# KiCad board 11-10084__speedy_processing_module__B.kicad_pcb (continued)
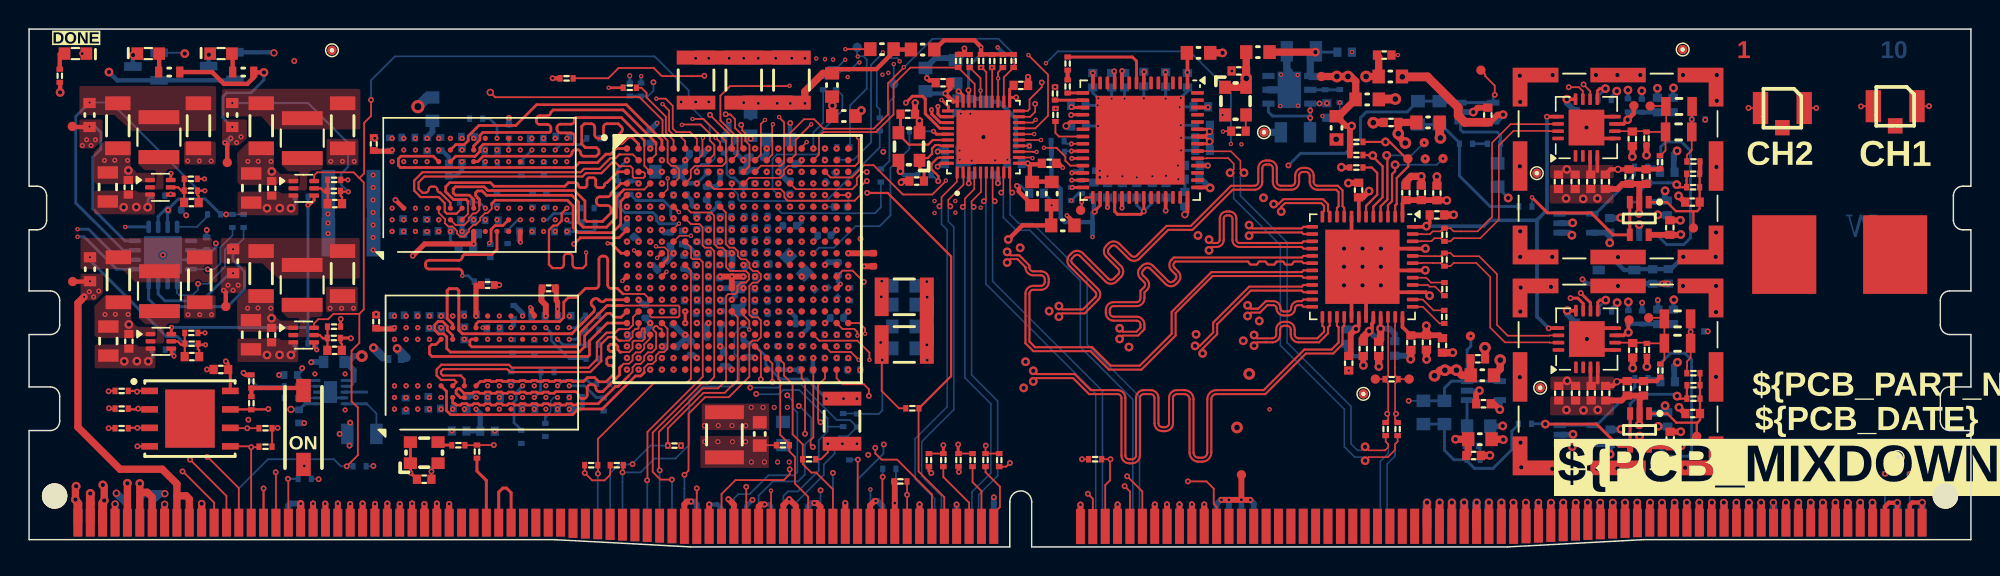
[diagram p0: board, top side]
## Routing (per net, layer and track width the routed paths; a pad name or vN(x,y) marks a point on that pad's centre or on a via; arc(x,y) is an arc through that point) (continued)
/TOP_LEVEL_IO/ZYNQ_PS/DDR3_BA0: length 46.7
  L7 w0.155: v2(33.73,22.49) 33.35,22.49 32.39,21.53 32.39,19.54 31.87,19.02 31.87,13.8 33.48,12.19 33.48,10.68 v2(33.89,10.27) 34.34,9.83 34.34,8.93 34.88,8.39 39.4,8.39 42.23,11.22 42.23,14.92 42.09,15.05 arc(42.03,15.19) 42.09,15.34 arc(42.15,15.48) 42.09,15.62 41.95,15.76 arc(41.81,15.82) 41.67,15.76 41.4,15.49 arc(41.28,15.44) 41.15,15.49 40.98,15.67 arc(40.93,15.79) 40.98,15.92 41.24,16.18 arc(41.3,16.33) 41.24,16.47 41.1,16.61 arc(40.96,16.67) 40.82,16.61 arc(40.68,16.55) 40.53,16.61 40.15,16.99 40.15,18.19 40.59,18.64 41.16,18.64 41.25,18.55 41.25,18.17 41.5,17.92 41.5,17.54 41.63,17.42 42.18,17.42 42.3,17.54 42.3,17.93 42.6,18.23 43.32,18.23 43.42,18.34 43.42,19.11 44.13,19.82 44.38,19.82 44.61,20.04 44.61,20.53 44.72,20.63 45.41,20.63 45.5,20.54 45.5,19.47 45.42,19.39 v2(44.26,19.39)
  L10 w0.155: v2(33.73,22.49) 33.57,22.49 32.86,21.78
/TOP_LEVEL_IO/ZYNQ_PS/DDR3_BA1: length 39.6
  L5 w0.1: 40.5,19.91 42.47,19.91 42.67,19.71 42.79,19.71 43.2,19.3 43.2,18.29 43.03,18.12 ; v2(34.69,15.07) 34.69,14.73 35.1,14.32 35.1,14.14
  L5 w0.155: v2(34.69,15.07) 34.69,15.3 34.55,15.44 34.55,15.84 34.03,16.37 34.03,16.87 33.38,17.52 33.38,20.07 32.58,20.87 32.58,23.67 34.98,26.07 34.98,26.84 v2(34.53,27.29) ; 43.03,18.12 43.03,16.62 v2(43.46,16.19) ; 40.5,19.91 40.32,19.91 39.23,18.82 39.23,14.04 37.8,12.62 33.35,12.62 33.1,12.87 33.1,13.77 33.68,14.34 34.08,14.34 34.53,13.89 35,13.89 35.1,13.99 35.1,14.14
  L10 w0.187: 33.8,26.56 v2(34.53,27.29)
/TOP_LEVEL_IO/ZYNQ_PS/DDR3_BA2: length 43.8
  L1 w0.1: IC1.J5 44.66,21.39 v2(45.45,21.39)
  L7 w0.1: 34.08,22.47 34.06,22.47 34.06,22.35 33.87,22.16 33.74,22.16 33.6,22.02
  L7 w0.155: v2(45.45,21.39) 45.45,22.68 45.76,22.99 45.96,22.99 46.23,23.26 46.23,26.34 44.38,28.19 37.7,28.19 37.18,27.67 34.41,27.67 34.08,27.34 34.08,26.95 33.78,26.64 33.78,25.54 33.38,25.14 33.38,23.64 v2(33.73,23.29) 33.73,22.99 34.08,22.63 34.08,22.47 ; 33.6,22.02 32.74,21.16 32.74,17.72 arc(32.7,17.63) 32.61,17.59 32.48,17.59 arc(32.39,17.55) 32.36,17.46 32.36,17.4 arc(32.39,17.31) 32.48,17.27 32.89,17.27 arc(32.98,17.23) 33.02,17.14 33.02,17.08 arc(32.98,16.99) 32.89,16.95 32.48,16.95 arc(32.39,16.91) 32.36,16.82 32.36,16.76 arc(32.39,16.67) 32.48,16.63 32.99,16.63 arc(33.08,16.59) 33.12,16.5 33.12,16.44 arc(33.08,16.35) 32.99,16.31 32.86,16.31 arc(32.77,16.27) 32.74,16.18 32.74,14.06 33.89,12.9 33.89,11.07 v2(33.89,11.07)
  L10 w0.187: 33.8,8.04 33.3,8.54 33.3,9.96 33.46,10.12 33.46,10.64 v2(33.89,11.07)
/TOP_LEVEL_IO/ZYNQ_PS/DDR3_CK+: length 46.7
  L5 w0.133: v2(31.33,26.49) 31.6,26.22 31.6,25.98 31.15,25.52 30.25,25.52 28.79,24.07 28.79,22.03 28.59,21.83 28.59,21.55 28.79,21.35 28.79,20.47 27.6,19.28 27.6,17.67 28.26,17.01 30.4,17.01 31.61,15.8 31.61,14.9 31.76,14.75 31.76,14.54 v4(31.49,14.27) 31.76,14 31.76,12.29 31.36,11.89 31.36,11.43 31.15,11.21 31.15,10.93 31.35,10.73 31.36,10.73 31.36,10.62 31.35,10.62 31.15,10.41 31.15,10.13 31.36,9.92 31.36,9.48 32.12,8.72 38.08,8.72 40.38,11.02 40.38,14.92 arc(40.46,15.1) 40.65,15.18 41.43,15.18 arc(41.81,15.34) 41.96,15.72 41.96,15.92 arc(41.81,16.29) 41.43,16.45 40.65,16.45 arc(40.46,16.53) 40.38,16.72 40.38,18.41 40.68,18.71 41.21,18.71 41.67,18.24 42,18.24 42.2,18.45 42.2,18.73 42,18.93 41.96,18.93 41.86,19.04 v2(41.86,19.39)
/TOP_LEVEL_IO/ZYNQ_PS/DDR3_CK-: length 47.5
  L5 w0.133: v2(41.86,18.59) 41.47,18.97 40.57,18.97 40.12,18.52 40.12,16.72 arc(40.27,16.34) 40.65,16.18 41.43,16.18 arc(41.62,16.1) 41.7,15.92 41.7,15.72 arc(41.62,15.53) 41.43,15.45 40.65,15.45 arc(40.27,15.29) 40.12,14.92 40.12,11.13 37.97,8.98 32.23,8.98 31.62,9.59 31.62,9.92 31.83,10.13 31.83,10.41 31.63,10.62 31.62,10.62 31.62,10.73 31.63,10.73 31.83,10.93 31.83,11.21 31.62,11.43 31.62,11.78 32.02,12.18 32.02,14 v4(32.29,14.27) 32.02,14.54 32.02,14.86 31.87,15.01 31.87,15.91 30.5,17.27 28.36,17.27 27.86,17.78 27.86,19.17 29.07,20.38 29.07,21.34 29.27,21.55 29.27,21.83 29.05,22.05 29.05,23.96 29.21,24.12 arc(29.32,24.16) 29.43,24.12 29.8,23.75 arc(29.91,23.7) 30.01,23.75 30.07,23.8 arc(30.11,23.91) 30.07,24.02 29.7,24.39 arc(29.65,24.49) 29.7,24.6 29.75,24.66 arc(29.86,24.7) 29.96,24.66 30.34,24.28 arc(30.44,24.24) 30.55,24.28 30.61,24.34 arc(30.65,24.45) 30.61,24.55 30.23,24.92 arc(30.19,25.03) 30.23,25.14 30.35,25.26 31.25,25.26 31.86,25.87 31.86,26.22 v2(32.13,26.49)
/TOP_LEVEL_IO/ZYNQ_PS/DDR3_CKE0: length 46
  L5 w0.1: 40.56,19.62 40.66,19.71 41.99,19.71 42.33,19.38 42.33,19.09 42.5,18.91 42.79,18.91 42.98,18.72 42.98,18.4 42.66,18.07 v2(42.66,17.79)
  L5 w0.155: 40.56,19.62 39.58,18.63 39.58,13.67 38.18,12.27 arc(38.01,12.2) 37.94,12.03 37.94,11.51 arc(37.86,11.34) 37.7,11.27 37.58,11.27 arc(37.41,11.34) 37.34,11.51 37.34,12.03 arc(37.26,12.2) 37.1,12.27 33.1,12.27 32.72,12.65 32.72,15.44 v2(32.29,15.87) 32.29,16.38 30.13,18.54 30.13,19.02 arc(30.18,19.17) 30.33,19.22 30.47,19.22 arc(30.61,19.28) 30.67,19.42 30.67,19.52 arc(30.61,19.67) 30.47,19.72 29.79,19.72 arc(29.64,19.78) 29.59,19.92 29.59,20.02 arc(29.64,20.17) 29.79,20.22 29.93,20.22 arc(30.07,20.28) 30.13,20.42 30.13,20.52 arc(30.07,20.67) 29.93,20.72 29.79,20.72 arc(29.64,20.78) 29.59,20.92 29.59,21.02 arc(29.64,21.17) 29.79,21.22 30.47,21.22 arc(30.61,21.28) 30.67,21.42 30.67,21.52 arc(30.61,21.67) 30.47,21.72 30.33,21.72 arc(30.18,21.78) 30.13,21.92 30.13,22.02 arc(30.07,22.17) 29.93,22.22 29.79,22.22 arc(29.64,22.28) 29.59,22.42 29.59,22.52 arc(29.64,22.67) 29.79,22.72 29.93,22.72 arc(30.07,22.78) 30.13,22.92 30.13,23.42 32.48,25.78 32.48,27.51 32.33,27.67 31.53,27.67 31.28,27.92 31.28,28.49 31.55,28.77 31.85,28.77 32.13,28.49 v2(32.13,28.09)
  L10 w0.187: v2(32.13,28.09) 32.13,28.94 31.63,29.44 31.18,29.44
/TOP_LEVEL_IO/ZYNQ_PS/DDR3_DM0: length 19.8
  L1 w0.184: IC1.A1 40.33,27.39 39.94,27 39.61,27 39.03,26.42 37.79,26.42 37.45,26.08 25.74,26.08 25.73,26.08 25.51,26.08 25.36,26.23 25.36,26.68 25.54,26.86 27.76,26.86 U18.E7
/TOP_LEVEL_IO/ZYNQ_PS/DDR3_DM1: length 19.6
  L3 w0.12: 42.3,21.42 42.77,21.42 43.04,21.7 43.04,21.96 42.85,22.15 42.61,22.15 42.32,22.45 42.32,22.73 42.12,22.92 41.84,22.92 41.68,23.08 41.52,23.08 41.22,23.39 v2(41.06,23.39)
  L3 w0.155: 42.3,21.42 38.62,21.42 37.17,22.87 30.38,22.87 29.97,23.29 v2(27.33,23.29)
/TOP_LEVEL_IO/ZYNQ_PS/DDR3_DM2: length 16.7
  L1 w0.184: IC1.T1 39.71,15.39 38.48,14.16 38.48,13.18 38.39,13.09 27.67,13.09 27.49,13.27 27.49,13.75 27.65,13.91 27.93,13.91 U11.E7
/TOP_LEVEL_IO/ZYNQ_PS/DDR3_DM3: length 26.5
  L3 w0.155: v4(27.49,11.07) 27.87,10.69 28.54,10.69 arc(28.69,10.75) 28.75,10.9 arc(28.81,11.05) 28.96,11.11 29.14,11.11 arc(29.29,11.05) 29.35,10.9 29.35,10.48 arc(29.41,10.33) 29.56,10.27 29.74,10.27 arc(29.89,10.33) 29.95,10.48 29.95,10.9 arc(30.01,11.05) 30.16,11.11 30.34,11.11 arc(30.49,11.05) 30.55,10.9 arc(30.61,10.75) 30.76,10.69 30.9,10.69 31.06,10.54 31.06,10.19 31.34,9.91 32.44,9.91 32.66,10.12 32.66,10.42 32.94,10.71 33.18,10.71 33.47,10.41 33.47,10.17 33.74,9.91 34.04,9.91 34.26,10.12 34.26,10.36 34.55,10.65 34.94,10.65 35.12,10.47 35.12,10.12 35.34,9.91 35.7,9.91 35.86,10.06 35.86,10.4 36.13,10.67 37.95,10.67 38.21,10.93 38.47,10.93 38.68,10.72 38.68,10.4 38.45,10.17 37.74,10.17 37.6,10.03 37.6,9.63 37.83,9.4 38.49,9.4 38.74,9.65 38.74,9.87 39.09,10.23 arc(39.26,10.3) 39.43,10.23 39.64,10.02 arc(39.81,9.95) 39.98,10.02 40.06,10.11 arc(40.13,10.27) 40.06,10.44 39.59,10.91 arc(39.55,11.01) 39.59,11.11 39.82,11.34 arc(39.92,11.38) 40.02,11.34 40.49,10.87 arc(40.66,10.8) 40.83,10.87 40.91,10.95 arc(40.98,11.12) 40.91,11.29 40.44,11.76 arc(40.4,11.86) 40.44,11.95 40.67,12.19 arc(40.77,12.23) 40.86,12.19 arc(40.96,12.15) v2(41.06,12.19)
/TOP_LEVEL_IO/ZYNQ_PS/DDR3_DQ0: length 19.4
  L1 w0.12: 31.77,23.51 31.77,23.25 31.47,22.95 31.31,22.95 30.97,22.61 30.97,22.45 30.67,22.15 30.51,22.15 30.19,21.83 30.19,21.66 29.87,21.35 29.59,21.35 29.39,21.55 29.39,21.72 29.08,22.03 28.79,22.03 28.57,22.25 28.57,22.53 28.13,22.97 U18.E3
  L1 w0.184: IC1.E1 40.63,23.76 40.63,22.18 40.06,21.6 37.71,21.6 37.36,21.95 37.36,23.43 36.96,23.83 32,23.83 31.77,23.6 31.77,23.51
/TOP_LEVEL_IO/ZYNQ_PS/DDR3_DQ1: length 20.7
  L1 w0.12: IC1.C3 42.25,26.19 42.25,27.58
  L1 w0.184: U18.F7 29.3,26.86 30.6,26.86 30.61,26.85 30.62,26.85 30.96,27.19 30.96,27.44 31.2,27.68 37.35,27.68 37.45,27.78 37.45,28.22 arc(37.38,28.39) 37.21,28.46 36.49,28.46 arc(36.32,28.53) 36.25,28.7 36.25,28.82 arc(36.32,28.99) 36.49,29.06 37.21,29.06 arc(37.38,29.13) 37.45,29.3 37.45,29.43 37.53,29.51 40.68,29.51 42.25,27.94 42.25,27.58
/TOP_LEVEL_IO/ZYNQ_PS/DDR3_DQ2: length 19.9
  L1 w0.12: IC1.D3 42.24,24.57 40.85,24.57 40.84,24.56 ; U18.F2 29.29,22.13 29.88,22.13 30.19,22.44 30.19,22.63 30.49,22.93 30.68,22.93 30.92,23.17 30.92,23.45
  L1 w0.184: 30.92,23.45 30.92,23.88 30.82,23.98 30.82,24 30.66,24.16 30.66,24.34 30.79,24.47 31.11,24.47 31.41,24.17 37.28,24.17 37.74,23.71 37.74,22.29 38.05,21.98 39.65,21.98 40.32,22.65 40.32,24.04 40.84,24.56
/TOP_LEVEL_IO/ZYNQ_PS/DDR3_DQ3: length 17.6
  L1 w0.184: IC1.A4 43.46,27.97 41.02,30.4 34.85,30.4 33.42,28.97 30.89,28.97 30.72,28.8 30.72,28.8 30.16,28.24 30.16,27.93 29.88,27.66 29.3,27.66 U18.F8
/TOP_LEVEL_IO/ZYNQ_PS/DDR3_DQ4: length 19.7
  L1 w0.184: IC1.D1 40.64,24.99 39.96,24.31 arc(39.89,24.14) 39.72,24.07 39.2,24.07 arc(39.03,24) 38.96,23.83 38.96,23.71 arc(39.03,23.54) 39.2,23.47 39.72,23.47 arc(39.89,23.4) 39.96,23.23 39.96,22.96 39.37,22.37 38.29,22.37 38.17,22.49 38.17,23.78 37.45,24.5 31.5,24.5 31.25,24.76 29.27,24.76 29.13,24.61 29.12,24.61 29.12,24.33 29.27,24.18 30.23,24.18 30.53,23.88 U18.H3
/TOP_LEVEL_IO/ZYNQ_PS/DDR3_DQ5: length 18.6
  L1 w0.12: IC1.B3 43.05,26.98 43.05,27.63
  L1 w0.184: U18.H8 30.53,27.56 30.96,27.99 30.96,28.29 31.16,28.49 35.74,28.49 35.83,28.58 35.83,28.8 arc(35.76,28.97) 35.59,29.04 35.07,29.04 arc(34.9,29.11) 34.83,29.28 34.83,29.4 arc(34.9,29.57) 35.07,29.64 35.59,29.64 arc(35.76,29.71) 35.83,29.88 35.99,30.04 40.79,30.04 43.05,27.78 43.05,27.63
/TOP_LEVEL_IO/ZYNQ_PS/DDR3_DQ6: length 18.1
  L1 w0.12: U18.G2 30.14,22.9 30.14,23.6
  L1 w0.184: IC1.C1 40.43,25.79 39.68,25.04 arc(39.56,24.99) 39.51,24.87 arc(39.46,24.75) 39.34,24.7 39.08,24.7 arc(38.96,24.75) 38.91,24.87 38.91,25.21 arc(38.86,25.33) 38.74,25.38 38.48,25.38 arc(38.36,25.33) 38.31,25.21 38.31,24.87 arc(38.26,24.75) 38.14,24.7 37.88,24.7 arc(37.76,24.75) 37.71,24.87 arc(37.66,24.99) 37.54,25.04 37.03,25.04 36.78,24.79 31.93,24.79 31.68,25.04 28.89,25.04 28.61,24.76 28.61,24.41 29.14,23.88 30.02,23.88 30.14,23.76 30.14,23.6
/TOP_LEVEL_IO/ZYNQ_PS/DDR3_DQ7: length 20.1
  L1 w0.184: IC1.A2 41.86,27.7 41.45,28.11 arc(41.28,28.18) 41.11,28.11 40.77,27.77 arc(40.6,27.7) 40.43,27.77 40.35,27.86 arc(40.28,28.03) 40.35,28.2 40.68,28.53 arc(40.75,28.7) 40.68,28.87 40.46,29.09 39.68,29.09 arc(39.51,29.02) 39.44,28.85 39.44,28.33 arc(39.37,28.16) 39.2,28.09 39.08,28.09 arc(38.91,28.16) 38.84,28.33 38.84,28.85 arc(38.77,29.02) 38.6,29.09 38.13,29.09 37.95,28.91 37.95,27.7 38.2,27.45 38.96,27.45 39.13,27.28 39.13,27.04 38.95,26.86 38.1,26.86 arc(37.94,26.93) 37.88,27.08 arc(37.82,27.24) 37.66,27.3 37.5,27.3 arc(37.34,27.24) 37.28,27.08 arc(37.22,26.93) 37.06,26.86 31.18,26.86 30.8,26.49 U18.H7
/TOP_LEVEL_IO/ZYNQ_PS/DDR3_DQ8: length 19.4
  L3 w0.155: v2(27.33,26.49) 27.33,26.77 27.45,26.89 28.48,26.89 29.59,25.78 29.84,25.78 arc(30.01,25.85) 30.08,26.02 30.08,26.29 arc(30.15,26.46) 30.32,26.53 30.44,26.53 arc(30.61,26.46) 30.68,26.29 30.68,26.02 arc(30.75,25.85) 30.92,25.78 37.73,25.78 arc(37.9,25.85) 37.97,26.02 37.97,26.12 arc(38.04,26.29) 38.21,26.36 38.33,26.36 arc(38.5,26.29) 38.57,26.12 38.57,26.02 arc(38.64,25.85) 38.81,25.78 38.93,25.78 arc(39.1,25.85) 39.17,26.02 39.17,26.12 arc(39.24,26.29) 39.41,26.36 39.53,26.36 arc(39.7,26.29) 39.77,26.12 39.77,26.02 arc(39.84,25.85) 40.01,25.78 40.26,25.78 40.62,25.42 arc(40.79,25.35) 40.96,25.42 41.04,25.51 arc(41.21,25.58) 41.38,25.51 41.47,25.42 arc(41.54,25.26) 41.47,25.09 41.38,25 arc(41.31,24.83) 41.38,24.66 v2(41.86,24.19)
/TOP_LEVEL_IO/ZYNQ_PS/DDR3_DQ9: length 20.7
  L3 w0.155: v2(26.53,23.29) 26.25,23.29 25.91,23.62 25.91,23.82 26.16,24.07 26.8,24.07 27.05,23.82 37.75,23.82 38.05,23.52 arc(38.22,23.45) 38.39,23.52 38.47,23.6 arc(38.64,23.67) 38.81,23.6 38.9,23.51 arc(38.97,23.34) 38.9,23.17 38.4,22.68 arc(38.33,22.51) 38.4,22.34 38.49,22.26 arc(38.65,22.19) 38.82,22.26 39.32,22.75 arc(39.49,22.82) 39.66,22.75 39.74,22.67 arc(39.81,22.5) 39.74,22.33 39.67,22.25 arc(39.6,22.08) 39.67,21.91 39.79,21.79 v2(41.86,21.79)
/TOP_LEVEL_IO/ZYNQ_PS/DDR3_DQ10: length 18.7
  L3 w0.155: v2(42.66,24.19) 42.35,24.49 42.35,25.01 41.26,26.1 40.99,26.1 40.4,26.69 37.83,26.69 37.25,26.12 31.18,26.12 30.96,26.34 30.96,26.73 30.84,26.85 29.18,26.85 28.38,27.65 27.08,27.65 26.72,27.29 v2(26.53,27.29)
/TOP_LEVEL_IO/ZYNQ_PS/DDR3_DQ11: length 21.5
  L3 w0.155: v2(41.06,20.99) 40.46,20.39 38.6,20.39 38.4,20.6 38.01,20.6 37.69,20.27 37.05,20.27 arc(36.88,20.2) 36.81,20.03 36.81,19.91 arc(36.74,19.74) 36.57,19.67 36.45,19.67 arc(36.28,19.74) 36.21,19.91 36.21,20.42 arc(36.16,20.53) 36.06,20.57 35.76,20.57 arc(35.65,20.53) 35.61,20.42 35.61,19.91 arc(35.54,19.74) 35.37,19.67 35.25,19.67 arc(35.08,19.74) 35.01,19.91 35.01,20.03 arc(34.94,20.2) 34.77,20.27 33.6,20.27 arc(33.43,20.34) 33.36,20.51 33.36,21.29 arc(33.29,21.46) 33.12,21.53 33,21.53 arc(32.83,21.46) 32.76,21.29 32.76,19.95 arc(32.69,19.78) 32.52,19.71 32.4,19.71 arc(32.23,19.78) 32.16,19.95 32.16,20.03 arc(32.09,20.2) 31.92,20.27 31.61,20.27 30.55,21.33 27.18,21.33 26.97,21.55 26.97,22.05 v2(26.53,22.49)
/TOP_LEVEL_IO/ZYNQ_PS/DDR3_DQ12: length 21.4
  L3 w0.155: v2(24.93,26.49) 24.57,26.49 24.27,26.19 24.27,25.48 24.72,25.03 25.67,25.03 26.3,24.4 27.38,24.4 27.56,24.22 38.87,24.22 40.95,22.14 42.29,22.14 42.64,21.79 v2(42.66,21.79)
/TOP_LEVEL_IO/ZYNQ_PS/DDR3_DQ13: length 20.5
  L3 w0.155: v2(42.66,20.99) 41.66,19.99 39.92,19.99 38.51,18.58 32.01,18.58 29.71,20.88 26.83,20.88 26.18,21.54 26.18,21.74 25.84,22.08 25.34,22.08 v2(24.93,22.49)
/TOP_LEVEL_IO/ZYNQ_PS/DDR3_DQ14: length 22.3
  L3 w0.155: v2(42.66,22.59) 42.66,22.87 42.8,23.02 42.81,23.02 43.02,23.24 43.02,25.14 41.07,27.09 37.6,27.09 37.36,26.85 31.24,26.85 30.44,27.65 28.84,27.65 28.56,27.94 28.56,28.17 28.28,28.45 27.18,28.45 26.96,28.24 26.96,28 26.62,27.65 26.1,27.65 v2(25.73,27.29)
/TOP_LEVEL_IO/ZYNQ_PS/DDR3_DQ15: length 20.7
  L1 w0.184: v1(37.43,20.83) 37.86,21.25 40.51,21.25 41.05,21.79
  L3 w0.155: v2(24.93,23.29) 24.52,23.29 24.29,23.51 24.29,24.21 24.56,24.48 25.31,24.48 25.63,24.16 25.63,23.37 26.14,22.86 29.38,22.86 30.29,21.95 33.73,21.95 34.86,20.83 v1(37.43,20.83)
/TOP_LEVEL_IO/ZYNQ_PS/DDR3_DQ16: length 21.3
  L1 w0.12: 42.24,12.03 42.24,12.32 42.5,12.57 42.81,12.57 43.04,12.81 43.04,13.15 43.29,13.39 43.61,13.39 43.84,13.63 43.84,15 IC1.T4
  L1 w0.184: U11.E3 28.66,10.7 28.66,9.37 28.94,9.09 37.32,9.09 37.71,9.48 39.37,9.48 41.64,11.75 42.01,11.75 42.24,11.98 42.24,12.03
/TOP_LEVEL_IO/ZYNQ_PS/DDR3_DQ17: length 18.6
  L1 w0.184: U11.F7 29.09,14.53 28.72,14.91 28.72,15.17 28.39,15.5 28.09,15.5 27.86,15.28 27.86,14.9 28.12,14.64 28.13,14.64 28.14,14.65 28.44,14.65 28.45,14.64 28.48,14.64 28.68,14.44 28.68,13.64 28.93,13.39 37.77,13.39 38.15,13.77 38.15,14.52 39.68,16.05 39.93,16.05 40.19,15.79 40.66,15.79 IC1.R1
/TOP_LEVEL_IO/ZYNQ_PS/DDR3_DQ18: length 19.7
  L1 w0.12: IC1.U4 43.46,14.95 43.4,15 43.3,15 43.1,15.19 43.01,15.19 42.87,15.05 42.87,14.92 43.06,14.73 43.06,13.65 42.79,13.37 42.5,13.37 42.24,13.12 42.24,12.83 41.99,12.57 41.67,12.57 41.44,12.35 41.44,12.03 41.18,11.77
  L1 w0.184: U11.F2 29.09,9.91 29.16,9.85 29.24,9.85 29.34,9.75 29.64,9.75 29.74,9.85 30.04,9.85 30.14,9.75 30.44,9.75 30.54,9.85 30.84,9.85 30.94,9.75 31.24,9.75 31.34,9.85 31.64,9.85 31.74,9.75 32.04,9.75 32.14,9.85 32.44,9.85 32.54,9.75 32.84,9.75 32.94,9.85 33.24,9.85 33.34,9.75 33.64,9.75 33.74,9.85 34.04,9.85 34.14,9.75 34.44,9.75 34.54,9.85 34.84,9.85 34.94,9.75 35.24,9.75 35.34,9.85 35.64,9.85 35.74,9.75 36.04,9.75 36.14,9.85 36.44,9.85 36.54,9.75 36.84,9.75 36.94,9.85 37.24,9.85 37.34,9.75 37.58,9.75 37.67,9.84 39.08,9.84 40.27,11.03 40.45,11.03 41.18,11.77
/TOP_LEVEL_IO/ZYNQ_PS/DDR3_DQ19: length 19.8
  L1 w0.184: IC1.P1 39.6,16.99 39.52,16.92 arc(39.36,16.85) 39.19,16.92 39.09,17.02 arc(38.92,17.09) 38.75,17.02 38.66,16.93 arc(38.59,16.76) 38.66,16.59 38.76,16.49 arc(38.83,16.32) 38.76,16.15 37.31,14.7
  L1 w0.2: 37.31,14.7 37.26,14.65 29.76,14.65 29.51,14.9 29.51,17.62 29.38,17.75 28.85,17.75 28.71,17.61 28.71,15.69 29.09,15.31 U11.F8
/TOP_LEVEL_IO/ZYNQ_PS/DDR3_DQ20: length 18.4
  L1 w0.12: IC1.U2 42.06,14.79 42.06,14.96 42.12,15.02 42.24,15.02 42.24,15.01 42.28,14.97 42.28,14.76 42.27,14.75 42.27,14.43 42.28,14.42 42.28,14.32 42.13,14.17 41.52,14.17 41.44,14.09 41.44,13.63 41.21,13.39 40.68,13.39
  L1 w0.184: U11.H3 30.99,11.37 31.26,11.37 31.34,11.45 31.64,11.45 31.72,11.37 32.06,11.37 32.14,11.45 32.44,11.45 32.52,11.37 32.86,11.37 32.94,11.45 33.24,11.45 33.32,11.37 33.66,11.37 33.74,11.45 34.04,11.45 34.12,11.37 34.46,11.37 34.54,11.45 34.84,11.45 34.92,11.37 35.26,11.37 35.34,11.45 35.64,11.45 35.72,11.37 36.06,11.37 36.14,11.45 36.44,11.45 36.52,11.37 36.86,11.37 36.94,11.45 37.24,11.45 37.32,11.37 38.07,11.37 38.34,11.64 38.84,11.64 39.13,11.35 39.63,11.35 40.16,11.88 40.16,12.3 39.99,12.47 39.8,12.47 39.67,12.6 39.67,12.91 39.8,13.04 40.08,13.04 40.19,13.15 40.19,13.31 40.06,13.44 39.91,13.44 39.77,13.58 39.77,13.78 39.92,13.93 40.28,13.93 40.43,13.78 40.43,13.55 40.59,13.39 40.68,13.39
/TOP_LEVEL_IO/ZYNQ_PS/DDR3_DQ21: length 18.2
  L1 w0.12: IC1.P3 42.25,17.39 40.78,17.39
  L1 w0.184: 40.78,17.39 40.4,17.77 39.97,17.77 arc(39.8,17.84) 39.73,18.01 39.73,19.75 arc(39.66,19.92) 39.49,19.99 39.37,19.99 arc(39.2,19.92) 39.13,19.75 39.13,18.01 arc(39.06,17.84) 38.89,17.77 38.21,17.77 37.59,17.15 37.04,17.15 36.72,16.83 36.72,15.77 36.44,15.49 30.86,15.49 30.69,15.32 U11.H8
/TOP_LEVEL_IO/ZYNQ_PS/DDR3_DQ22: length 18.6
  L1 w0.12: IC1.U3 42.66,14.34 42.24,13.92 42.24,13.63 41.99,13.37 41.67,13.37 41.44,13.15 41.44,12.83 41.21,12.59 40.83,12.59 40.68,12.44
  L1 w0.184: 40.68,12.44 40.55,12.31 40.55,11.83 39.39,10.67 39.16,10.67 arc(38.99,10.74) 38.92,10.91 arc(38.85,11.08) 38.68,11.15 38.56,11.15 arc(38.39,11.08) 38.32,10.91 38.32,10.43 arc(38.25,10.26) 38.08,10.19 37.96,10.19 arc(37.79,10.26) 37.72,10.43 arc(37.65,10.6) 37.48,10.67 36.16,10.67 36.05,10.56 35.73,10.56 35.64,10.65 35.34,10.65 35.25,10.56 34.93,10.56 34.84,10.65 34.54,10.65 34.45,10.56 34.13,10.56 34.04,10.65 33.74,10.65 33.65,10.56 33.33,10.56 33.24,10.65 32.94,10.65 32.85,10.56 32.53,10.56 32.44,10.65 32.14,10.65 32.05,10.56 31.73,10.56 31.64,10.65 31.34,10.65 31.25,10.56 30.93,10.56 30.84,10.65 30.54,10.65 30.45,10.56 29.87,10.56 29.56,10.87 29.44,10.87 29.32,10.75 29.32,10.57 29.46,10.43 29.47,10.43 29.62,10.27 U11.G2
/TOP_LEVEL_IO/ZYNQ_PS/DDR3_DQ23: length 19.9
  L1 w0.12: 40.75,16.59 44.58,16.59 44.66,16.51 44.66,15.87 44.57,15.78 42.74,15.78 42.66,15.87 IC1.R3
  L1 w0.184: 40.75,16.59 39.69,16.59 37.8,14.7 37.8,13.95 37.6,13.75 30.4,13.75 30.26,13.89 30.26,14.18 30.37,14.28 30.68,14.28
/TOP_LEVEL_IO/ZYNQ_PS/DDR3_DQ24: length 31
  L3 w0.155: v4(27.49,14.27) 27.76,14 29.07,14 29.16,14.09 29.16,14.49 29.07,14.58 28.72,14.58 28.63,14.67 28.63,14.93 28.75,15.05 29.34,15.05 29.74,14.65 30.07,14.65 30.47,15.05 30.7,15.05 30.76,14.99 30.76,14.79 30.57,14.6 30.57,14.45 31.23,13.79 37.11,13.79 37.59,14.27 37.59,14.64 39.5,16.55 43.59,16.55 43.81,16.33 43.81,16.13 44.91,15.03 45.11,15.03 45.41,14.73 45.41,13.83 45.08,13.49 45.08,12.37 44.43,11.72 43.43,11.72 43.1,12.04 43.1,13.13 43.3,13.33 43.3,13.42 43.13,13.59 43,13.59 42.66,13.25 v2(42.66,12.99)
/TOP_LEVEL_IO/ZYNQ_PS/DDR3_DQ25: length 26.8
  L3 w0.155: v2(41.06,12.99) 39.52,11.45 25.75,11.45 25.52,11.22 25.52,10.16 25.21,9.84 24.85,9.84 24.69,9.69 24.69,7.5 25.06,7.13 25.79,7.13 25.96,7.3 25.96,7.62 25.97,7.63 arc(25.9,7.8) 25.73,7.87 25.68,7.87 arc(25.51,7.94) 25.44,8.11 25.44,8.23 arc(25.51,8.4) 25.68,8.47 25.73,8.47 arc(25.9,8.54) 25.97,8.71 25.97,8.92 26.28,9.24 26.3,9.24 26.3,10.41 26.69,10.8 v4(26.69,11.07)
/TOP_LEVEL_IO/ZYNQ_PS/DDR3_DQ26: length 29.2
  L3 w0.155: v2(42.66,12.19) 42.66,11.86 43.25,11.27 44.73,11.27 45.45,11.99 45.45,13.24 45.83,13.62 45.83,14.92 45.41,15.33 45.41,15.53 45.11,15.83 44.91,15.83 44.65,16.09 44.65,16.29 44.31,16.63 44.02,16.63 43.81,16.84 43.81,17.13 43.59,17.35 39.5,17.35 37.6,15.45 36.97,15.45 36.74,15.22 36.74,15.02 36.36,14.64 33.8,14.64 33.44,15 33.44,15.22 33.22,15.44 27.06,15.44 v4(26.69,15.07)
/TOP_LEVEL_IO/ZYNQ_PS/DDR3_DQ27: length 28.1
  L3 w0.155: v4(26.69,10.27) 27.11,9.85 29.23,9.85 29.52,9.56 29.52,9.14 29.34,8.95 26.4,8.95 26.3,8.85 26.3,8.44 26.38,8.36 30.04,8.36 30.57,8.89 30.89,8.89 arc(31.06,8.96) 31.13,9.13 31.13,9.25 arc(31.2,9.42) 31.37,9.49 31.49,9.49 arc(31.66,9.42) 31.73,9.25 31.73,9.13 arc(31.8,8.96) 31.97,8.89 32.5,8.89 arc(32.67,8.96) 32.74,9.13 32.74,9.37 arc(32.81,9.54) 32.98,9.61 33.1,9.61 arc(33.27,9.54) 33.34,9.37 33.34,9.13 arc(33.41,8.96) 33.58,8.89 39.81,8.89 40.48,9.57 arc(40.62,9.62) 40.75,9.57 arc(40.89,9.51) 41.02,9.57 41.18,9.72 arc(41.23,9.86) 41.18,9.99 40.91,10.26 arc(40.85,10.39) 40.91,10.53 41.06,10.68 arc(41.2,10.74) 41.33,10.68 arc(41.47,10.63) 41.6,10.68 41.86,10.94 v2(41.86,12.19)
/TOP_LEVEL_IO/ZYNQ_PS/DDR3_DQ28: length 27.9
  L3 w0.155: v4(25.09,14.27) 25.07,14.27 24.38,14.96 23.65,14.96 22.85,15.76 22.33,15.76 21.72,15.15 21.72,13.02 22.6,12.13 38.81,12.13 40.83,14.15 41.49,14.15 v2(41.86,13.79)
/TOP_LEVEL_IO/ZYNQ_PS/DDR3_DQ29: length 29.3
  L3 w0.155: v2(42.66,13.79) 42.26,13.39 42.26,10.13 40.56,8.43 40.33,8.43 arc(40.16,8.36) 40.09,8.19 40.09,7.9 arc(40.02,7.73) 39.85,7.66 39.73,7.66 arc(39.56,7.73) 39.49,7.9 39.49,8.19 arc(39.42,8.36) 39.25,8.43 39.13,8.43 arc(38.96,8.36) 38.89,8.19 38.89,7.9 arc(38.82,7.73) 38.65,7.66 38.53,7.66 arc(38.36,7.73) 38.29,7.9 38.29,8.19 arc(38.22,8.36) 38.05,8.43 30.72,8.43 29.02,6.73 24.67,6.73 24.29,7.11 24.29,9.78 24.78,10.27 v4(25.09,10.27)
/TOP_LEVEL_IO/ZYNQ_PS/DDR3_DQ30: length 27.9
  L3 w0.155: v4(25.89,15.07) 25.51,15.45 25.51,16.34 25.72,16.55 26.06,16.55 26.32,16.29 26.32,14.92 26.54,14.71 26.78,14.71 27.12,14.36 27.12,14.12 27.75,13.49 37.25,13.49 39.75,15.99 41.55,15.99 41.81,15.73 42.5,15.73 42.51,15.74 42.8,15.74 42.81,15.73 43.56,15.73 44.69,14.6 44.69,12.72 44.56,12.59 43.86,12.59 v2(43.46,12.19)
/TOP_LEVEL_IO/ZYNQ_PS/DDR3_DQ31: length 28
  L3 w0.155: v2(41.06,13.79) 39.06,11.79 22.47,11.79 22.3,11.62 22.3,11.24 22.47,11.07 22.78,11.07 arc(22.95,11) 23.02,10.83 23.02,8.57 arc(23.09,8.4) 23.26,8.33 23.38,8.33 arc(23.55,8.4) 23.62,8.57 23.62,10.83 arc(23.69,11) 23.86,11.07 v4(25.09,11.07)
/TOP_LEVEL_IO/ZYNQ_PS/DDR3_DQS0+: length 21.5
  L1 w0.12: 40.63,26.17 41.3,26.17 41.45,26.02 41.45,25.46 41.54,25.37 42.19,25.37 42.28,25.46 42.28,25.68 42.18,25.79 IC1.C2
  L1 w0.149: 40.63,26.17 40.52,26.17 40.26,26.43 40.04,26.43 39.3,25.69 38.23,25.69 38,25.46 27.14,25.46 26.75,25.07 26.75,24.62 27.01,24.35 27.22,24.35 arc(27.37,24.41) 27.43,24.56 arc(27.5,24.71) 27.64,24.77 27.82,24.77 arc(27.97,24.71) 28.03,24.56 arc(28.1,24.41) 28.24,24.35 28.93,23.67 U18.F3
/TOP_LEVEL_IO/ZYNQ_PS/DDR3_DQS0-: length 21.4
  L1 w0.12: 40.62,26.98 41.46,26.98 IC1.B2
  L1 w0.149: U18.G3 29.36,22.91 28.68,22.91 28.54,23.05 28.54,23.63 28.12,24.05 26.89,24.05 26.45,24.5 26.45,25.19 27.02,25.76 37.88,25.76 38.11,25.99 39.18,25.99 39.91,26.73 40.27,26.73 40.53,26.98 40.62,26.98
/TOP_LEVEL_IO/ZYNQ_PS/DDR3_DQS1+: length 17.8
  L3 w0.133: v2(41.86,22.59) 41.59,22.86 41.4,22.86 41.21,23.04 40.91,23.04 40.71,23.25 40.71,23.53 40.72,23.54 39.28,24.98 27.63,24.98 26.79,25.82 26.38,25.82 26.29,25.92 26.29,26.24 v2(26.53,26.49)
/TOP_LEVEL_IO/ZYNQ_PS/DDR3_DQS1-: length 18
  L3 w0.133: v2(25.73,26.49) 26.09,26.84 26.68,26.84 26.9,26.62 26.9,26.08 27.74,25.24 39.39,25.24 40.91,23.72 40.91,23.73 41.2,23.73 41.4,23.53 41.4,23.53 41.54,23.38 41.85,23.38 v2(41.86,23.39)
/TOP_LEVEL_IO/ZYNQ_PS/DDR3_DQS2+: length 19
  L1 w0.12: 40.67,14.97 41.19,14.97 41.47,15.26 41.47,15.8 IC1.R2
  L1 w0.149: 40.25,14.73 40.25,14.73 39.65,14.73 38.99,14.06 38.99,12.89 38.42,12.32 33.15,12.32 32.95,12.52 28.31,12.52 27.99,12.2 27.99,11.79 28.29,11.48 29.2,11.48 29.34,11.34 29.34,11.32 U11.F3
  L1 w0.151: 40.25,14.73 40.5,14.97 40.67,14.97
/TOP_LEVEL_IO/ZYNQ_PS/DDR3_DQS2-: length 18.8
  L1 w0.12: IC1.T2 41.86,15.06 41.77,14.97 41.62,14.97 41.44,14.79 41.44,14.43 41.2,14.18 40.64,14.18